# KiCad board Panel_R0.5.1_300x300_2layer_step1.kicad_pcb (continued)
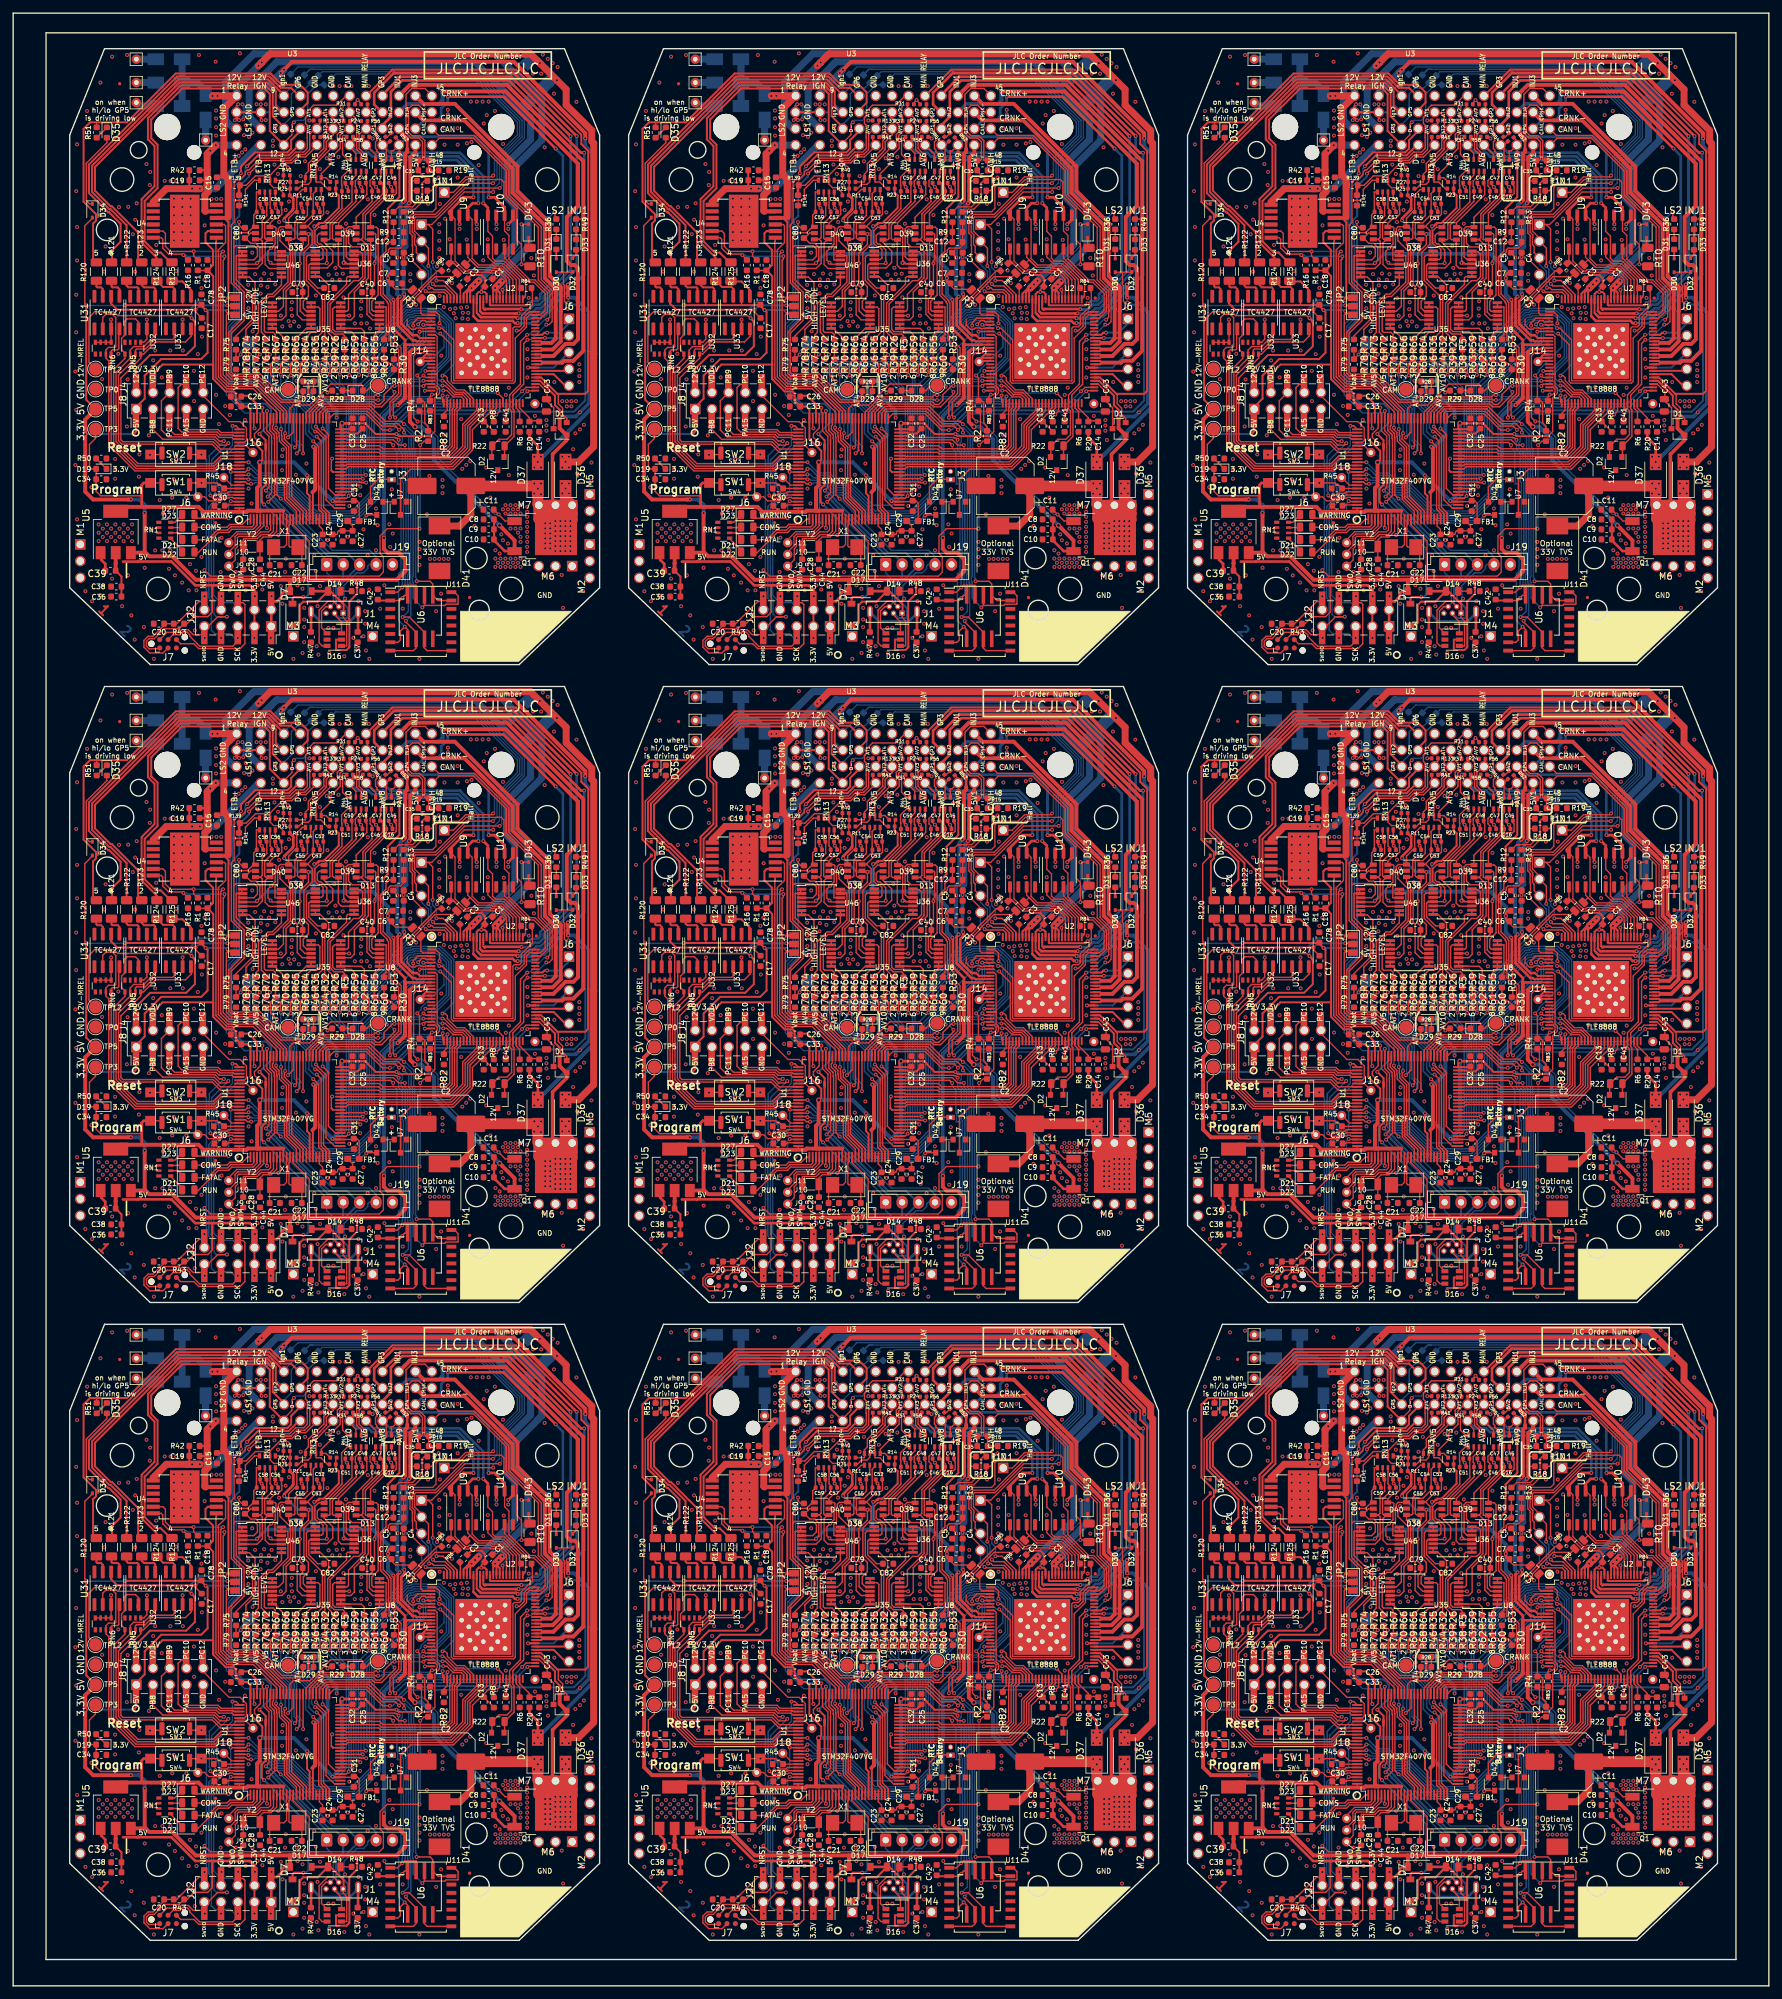
[diagram p0: board, top side]
## Routing (per net, layer and track width the routed paths; a pad name or vN(x,y) marks a point on that pad's centre or on a via; arc(x,y) is an arc through that point) (continued)
  Top w1.651: Q1#2.2 167.47,220.56 U3#2.M72 ; Q1#2.2 170.01,222.94 170.01,223.9 ; Q1#2.2 164.93,223.1 U3#2.M73 ; U3#2.M71 169.01,226.18 v1(169.01,227.72) ; U3#2.M71 U3#2.M73 ; U3#2.M71 170.01,223.9 ; v1(164.8,227.69) 164.8,225.32 U3#2.M73 ; 166.31,223.9 166,223.9 170.01,223.9 ; D37#2.1 164.44,228.1 C2#2.1 ; U3#3.M71 254.01,226.18 v1(254.01,227.72) ; U3#3.M71 255.01,223.9 ; U3#3.M71 U3#3.M73 ; Q1#3.2 252.47,220.56 U3#3.M72 ; Q1#3.2 255.01,222.94 255.01,223.9 ; Q1#3.2 249.93,223.1 U3#3.M73 ; v1(249.8,227.69) 249.8,225.32 U3#3.M73 ; C2#3.1 249.44,228.1 D37#3.1 ; 255.01,223.9 251,223.9 251.31,223.9 ; Q1#6.2 82.47,123.56 U3#4.M72 ; Q1#6.2 85.01,125.94 85.01,126.9 ; Q1#6.2 79.93,126.1 U3#4.M73 ; U3#4.M71 84.01,129.18 v1(84.01,130.72) ; U3#4.M71 U3#4.M73 ; U3#4.M71 85.01,126.9 ; v1(79.8,130.69) 79.8,128.32 U3#4.M73 ; 81.31,126.9 81,126.9 85.01,126.9 ; D37#4.1 79.44,131.1 C2#6.1 ; U3#6.M71 169.01,129.18 v1(169.01,130.72) ; U3#6.M71 170.01,126.9 ; U3#6.M71 U3#6.M73 ; Q1#4.2 167.47,123.56 U3#6.M72 ; Q1#4.2 170.01,125.94 170.01,126.9 ; Q1#4.2 164.93,126.1 U3#6.M73 ; v1(164.8,130.69) 164.8,128.32 U3#6.M73 ; C2#4.1 164.44,131.1 D37#6.1 ; 170.01,126.9 166,126.9 166.31,126.9 ; U3#5.M71 254.01,129.18 v1(254.01,130.72) ; U3#5.M71 U3#5.M73 ; U3#5.M71 255.01,126.9 ; v1(249.8,130.69) 249.8,128.32 U3#5.M73 ; U3#5.M73 249.93,126.1 Q1#5.2 ; U3#5.M72 252.47,123.56 Q1#5.2 ; Q1#5.2 255.01,125.94 255.01,126.9 ; C2#5.1 249.44,131.1 D37#5.1 ; 251.31,126.9 251,126.9 255.01,126.9 ; U3#9.M71 169.01,32.18 v1(169.01,33.72) ; U3#9.M71 170.01,29.9 ; U3#9.M71 U3#9.M73 ; U3#9.M72 167.47,26.56 Q1#8.2 ; v1(164.8,33.69) 164.8,31.32 U3#9.M73 ; Q1#8.2 170.01,28.94 170.01,29.9 ; Q1#8.2 164.93,29.1 U3#9.M73 ; C2#8.1 164.44,34.1 D37#9.1 ; 170.01,29.9 166,29.9 166.31,29.9 ; v1(254.01,33.72) 254.01,32.18 U3#7.M71 ; U3#7.M71 U3#7.M73 ; U3#7.M71 255.01,29.9 ; v1(249.8,33.69) 249.8,31.32 U3#7.M73 ; U3#7.M73 249.93,29.1 Q1#7.2 ; U3#7.M72 252.47,26.56 Q1#7.2 ; C2#7.1 249.44,34.1 D37#8.1 ; Q1#7.2 255.01,28.94 255.01,29.9 ; 251.31,29.9 251,29.9 255.01,29.9 ; U3#8.M71 84.01,32.18 v1(84.01,33.72) ; U3#8.M71 85.01,29.9 ; U3#8.M71 U3#8.M73 ; U3#8.M72 82.47,26.56 Q1#9.2 ; Q1#9.2 79.93,29.1 U3#8.M73 ; Q1#9.2 85.01,28.94 85.01,29.9 ; v1(79.8,33.69) 79.8,31.32 U3#8.M73 ; 85.01,29.9 81,29.9 81.31,29.9 ; C2#9.1 79.44,34.1 D37#7.1 ; 85.01,223.9 85.01,222.94 Q1.2 ; 85.01,223.9 81,223.9 81.31,223.9 ; 85.01,223.9 U3.M71 ; U3.M73 79.93,223.1 Q1.2 ; U3.M73 U3.M71 ; U3.M73 79.8,225.32 v1(79.8,227.69) ; U3.M71 84.01,226.18 v1(84.01,227.72) ; Q1.2 82.47,220.56 U3.M72 ; D37.1 79.44,228.1 C2.1
  Bottom w0.203: v1(156.2,257.6) 156.2,258.5 162.3,264.6 v1(162.3,267.9) ; 171.25,239.35 v1(171.2,239.3) ; v1(247.3,267.9) 247.3,264.6 241.2,258.5 v1(241.2,257.6) ; 256.25,239.35 v1(256.2,239.3) ; v1(71.2,160.6) 71.2,161.5 77.3,167.6 v1(77.3,170.9) ; 86.25,142.35 v1(86.2,142.3) ; v1(162.3,170.9) 162.3,167.6 156.2,161.5 v1(156.2,160.6) ; 171.25,142.35 v1(171.2,142.3) ; v1(247.3,170.9) 247.3,167.6 241.2,161.5 v1(241.2,160.6) ; 256.25,142.35 v1(256.2,142.3) ; v1(162.3,73.9) 162.3,70.6 156.2,64.5 v1(156.2,63.6) ; 171.25,45.35 v1(171.2,45.3) ; v1(247.3,73.9) 247.3,70.6 241.2,64.5 v1(241.2,63.6) ; 256.25,45.35 v1(256.2,45.3) ; v1(71.2,63.6) 71.2,64.5 77.3,70.6 v1(77.3,73.9) ; 86.25,45.35 v1(86.2,45.3) ; v1(77.3,267.9) 77.3,264.6 71.2,258.5 v1(71.2,257.6) ; 86.25,239.35 v1(86.2,239.3)
  Bottom w0.55: v1(168.11,238.65) 170.55,238.65 172.58,240.68 172.58,254.49 170.32,256.74 v1(169.42,256.74) ; v1(169.38,258.73) 166.89,256.25 166.89,255.87 165.5,254.48 165.02,254.48 164.15,253.61 v1(161.73,253.61) ; v1(254.42,256.74) 255.32,256.74 257.58,254.49 257.58,240.68 255.55,238.65 v1(253.11,238.65) ; v1(246.73,253.61) 249.15,253.61 250.02,254.48 250.5,254.48 251.89,255.87 251.89,256.25 v1(254.38,258.73) ; v1(83.11,141.65) 85.55,141.65 87.58,143.68 87.58,157.49 85.32,159.74 v1(84.42,159.74) ; v1(84.38,161.73) 81.89,159.25 81.89,158.87 80.5,157.48 80.02,157.48 79.15,156.61 v1(76.73,156.61) ; v1(169.42,159.74) 170.32,159.74 172.58,157.49 172.58,143.68 170.55,141.65 v1(168.11,141.65) ; v1(161.73,156.61) 164.15,156.61 165.02,157.48 165.5,157.48 166.89,158.87 166.89,159.25 v1(169.38,161.73) ; v1(254.42,159.74) 255.32,159.74 257.58,157.49 257.58,143.68 255.55,141.65 v1(253.11,141.65) ; v1(246.73,156.61) 249.15,156.61 250.02,157.48 250.5,157.48 251.89,158.87 251.89,159.25 v1(254.38,161.73) ; v1(169.42,62.74) 170.32,62.74 172.58,60.49 172.58,46.68 170.55,44.65 v1(168.11,44.65) ; v1(161.73,59.61) 164.15,59.61 165.02,60.48 165.5,60.48 166.89,61.87 166.89,62.25 v1(169.38,64.73) ; v1(254.42,62.74) 255.32,62.74 257.58,60.49 257.58,46.68 255.55,44.65 v1(253.11,44.65) ; v1(246.73,59.61) 249.15,59.61 250.02,60.48 250.5,60.48 251.89,61.87 251.89,62.25 v1(254.38,64.73) ; v1(83.11,44.65) 85.55,44.65 87.58,46.68 87.58,60.49 85.32,62.74 v1(84.42,62.74) ; v1(76.73,59.61) 79.15,59.61 80.02,60.48 80.5,60.48 81.89,61.87 81.89,62.25 v1(84.38,64.73) ; v1(84.38,258.73) 81.89,256.25 81.89,255.87 80.5,254.48 80.02,254.48 79.15,253.61 v1(76.73,253.61) ; v1(83.11,238.65) 85.55,238.65 87.58,240.68 87.58,254.49 85.32,256.74 v1(84.42,256.74)
  vias: v1(79.24,226.93) v1(79.24,129.93) v1(79.24,32.93) v1(79.26,228.48) v1(79.26,131.48) v1(79.26,34.48) v1(80.28,228.46) v1(80.28,226.83) v1(80.28,131.46) v1(80.28,129.83) v1(80.28,34.46) v1(80.28,32.83) v1(80.91,222.41) v1(80.91,221.65) v1(80.91,220.89) v1(80.91,220.13) v1(80.91,219.37) v1(80.91,218.6) v1(80.91,125.41) v1(80.91,124.65) v1(80.91,123.89) v1(80.91,123.13) v1(80.91,122.37) v1(80.91,121.6) v1(80.91,28.41) v1(80.91,27.65) v1(80.91,26.89) v1(80.91,26.13) v1(80.91,25.37) v1(80.91,24.6) v1(81.67,222.41) v1(81.67,221.65) v1(81.67,220.89) v1(81.67,220.13) v1(81.67,219.37) v1(81.67,218.6) v1(81.67,125.41) v1(81.67,124.65) v1(81.67,123.89) v1(81.67,123.13) v1(81.67,122.37) v1(81.67,121.6) v1(81.67,28.41) v1(81.67,27.65) v1(81.67,26.89) v1(81.67,26.13) v1(81.67,25.37) v1(81.67,24.6) v1(82.45,222.75) v1(82.45,221.99) v1(82.45,221.23) v1(82.45,220.47) v1(82.45,219.7) v1(82.45,218.94) v1(82.45,218.18) v1(82.45,125.75) v1(82.45,124.99) v1(82.45,124.23) v1(82.45,123.47) v1(82.45,122.7) v1(82.45,121.94) v1(82.45,121.18) v1(82.45,28.75) v1(82.45,27.99) v1(82.45,27.23) v1(82.45,26.47) v1(82.45,25.7) v1(82.45,24.94) v1(82.45,24.18) v1(83.21,222.75) v1(83.21,221.99) v1(83.21,221.23) v1(83.21,220.47) v1(83.21,219.7) v1(83.21,218.94) v1(83.21,218.18) v1(83.21,125.75) v1(83.21,124.99) v1(83.21,124.23) v1(83.21,123.47) v1(83.21,122.7) v1(83.21,121.94) v1(83.21,121.18) v1(83.21,28.75) v1(83.21,27.99) v1(83.21,27.23) v1(83.21,26.47) v1(83.21,25.7) v1(83.21,24.94) v1(83.21,24.18) v1(83.45,228.48) v1(83.5,226.96) v1(83.45,131.48) v1(83.5,129.96) v1(83.45,34.48) v1(83.5,32.96) v1(83.98,222.75) v1(83.98,221.99) v1(83.98,221.23) v1(83.98,220.47) v1(83.98,219.7) v1(83.98,218.94) v1(83.98,218.18) v1(83.98,125.75) v1(83.98,124.99) v1(83.98,124.23) v1(83.98,123.47) v1(83.98,122.7) v1(83.98,121.94) v1(83.98,121.18) v1(83.98,28.75) v1(83.98,27.99) v1(83.98,27.23) v1(83.98,26.47) v1(83.98,25.7) v1(83.98,24.94) v1(83.98,24.18) v1(84.52,228.48) v1(84.52,226.96) v1(84.52,131.48) v1(84.52,129.96) v1(84.52,34.48) v1(84.52,32.96) v1(84.74,222.75) v1(84.74,221.99) v1(84.74,221.23) v1(84.74,220.47) v1(84.74,219.7) v1(84.74,218.94) v1(84.74,218.18) v1(84.74,125.75) v1(84.74,124.99) v1(84.74,124.23) v1(84.74,123.47) v1(84.74,122.7) v1(84.74,121.94) v1(84.74,121.18) v1(84.74,28.75) v1(84.74,27.99) v1(84.74,27.23) v1(84.74,26.47) v1(84.74,25.7) v1(84.74,24.94) v1(84.74,24.18) v1(164.24,226.93) v1(164.24,129.93) v1(164.24,32.93) v1(164.26,228.48) v1(164.26,131.48) v1(164.26,34.48) v1(165.28,228.46) v1(165.28,226.83) v1(165.28,131.46) v1(165.28,129.83) v1(165.28,34.46) v1(165.28,32.83) v1(165.91,222.41) v1(165.91,221.65) v1(165.91,220.89) v1(165.91,220.13) v1(165.91,219.37) v1(165.91,218.6) v1(165.91,125.41) v1(165.91,124.65) v1(165.91,123.89) v1(165.91,123.13) v1(165.91,122.37) v1(165.91,121.6) v1(165.91,28.41) v1(165.91,27.65) v1(165.91,26.89) v1(165.91,26.13) v1(165.91,25.37) v1(165.91,24.6) v1(166.67,222.41) v1(166.67,221.65) v1(166.67,220.89) v1(166.67,220.13) v1(166.67,219.37) v1(166.67,218.6) v1(166.67,125.41) v1(166.67,124.65) v1(166.67,123.89) v1(166.67,123.13) v1(166.67,122.37) v1(166.67,121.6) v1(166.67,28.41) v1(166.67,27.65) v1(166.67,26.89) v1(166.67,26.13) v1(166.67,25.37) v1(166.67,24.6) v1(167.45,222.75) v1(167.45,221.99) v1(167.45,221.23) v1(167.45,220.47) v1(167.45,219.7) v1(167.45,218.94) v1(167.45,218.18) v1(167.45,125.75) v1(167.45,124.99) v1(167.45,124.23) v1(167.45,123.47) v1(167.45,122.7) v1(167.45,121.94) v1(167.45,121.18) v1(167.45,28.75) v1(167.45,27.99) v1(167.45,27.23) v1(167.45,26.47) v1(167.45,25.7) v1(167.45,24.94) v1(167.45,24.18) v1(168.21,222.75) v1(168.21,221.99) v1(168.21,221.23) v1(168.21,220.47) v1(168.21,219.7) v1(168.21,218.94) v1(168.21,218.18) v1(168.21,125.75) v1(168.21,124.99) v1(168.21,124.23) v1(168.21,123.47) v1(168.21,122.7) v1(168.21,121.94) v1(168.21,121.18) v1(168.21,28.75) v1(168.21,27.99) v1(168.21,27.23) v1(168.21,26.47) v1(168.21,25.7) v1(168.21,24.94) v1(168.21,24.18) v1(168.45,228.48) v1(168.5,226.96) v1(168.45,131.48) v1(168.5,129.96) v1(168.45,34.48) v1(168.5,32.96) v1(168.98,222.75) v1(168.98,221.99) v1(168.98,221.23) v1(168.98,220.47) v1(168.98,219.7) v1(168.98,218.94) v1(168.98,218.18) v1(168.98,125.75) v1(168.98,124.99) v1(168.98,124.23) v1(168.98,123.47) v1(168.98,122.7) v1(168.98,121.94) v1(168.98,121.18) v1(168.98,28.75) v1(168.98,27.99) v1(168.98,27.23) v1(168.98,26.47) v1(168.98,25.7) v1(168.98,24.94) v1(168.98,24.18) v1(169.52,228.48) v1(169.52,226.96) v1(169.52,131.48) v1(169.52,129.96) v1(169.52,34.48) v1(169.52,32.96) v1(169.74,222.75) v1(169.74,221.99) v1(169.74,221.23) v1(169.74,220.47) v1(169.74,219.7) v1(169.74,218.94) v1(169.74,218.18) v1(169.74,125.75) v1(169.74,124.99) v1(169.74,124.23) v1(169.74,123.47) v1(169.74,122.7) v1(169.74,121.94) v1(169.74,121.18) v1(169.74,28.75) v1(169.74,27.99) v1(169.74,27.23) v1(169.74,26.47) v1(169.74,25.7) v1(169.74,24.94) v1(169.74,24.18) v1(249.24,226.93) v1(249.24,129.93) v1(249.24,32.93) v1(249.26,228.48) v1(249.26,131.48) v1(249.26,34.48) v1(250.28,228.46) v1(250.28,226.83) v1(250.28,131.46) v1(250.28,129.83) v1(250.28,34.46) v1(250.28,32.83) v1(250.91,222.41) v1(250.91,221.65) v1(250.91,220.89) v1(250.91,220.13) v1(250.91,219.37) v1(250.91,218.6) v1(250.91,125.41) v1(250.91,124.65) v1(250.91,123.89) v1(250.91,123.13) v1(250.91,122.37) v1(250.91,121.6) v1(250.91,28.41) v1(250.91,27.65) v1(250.91,26.89) v1(250.91,26.13) v1(250.91,25.37) v1(250.91,24.6) v1(251.67,222.41) v1(251.67,221.65) v1(251.67,220.89) v1(251.67,220.13) v1(251.67,219.37) v1(251.67,218.6) v1(251.67,125.41) v1(251.67,124.65) v1(251.67,123.89) v1(251.67,123.13) v1(251.67,122.37) v1(251.67,121.6) v1(251.67,28.41) v1(251.67,27.65) v1(251.67,26.89) v1(251.67,26.13) v1(251.67,25.37) v1(251.67,24.6) v1(252.45,222.75) v1(252.45,221.99) v1(252.45,221.23) v1(252.45,220.47) v1(252.45,219.7) v1(252.45,218.94) v1(252.45,218.18) v1(252.45,125.75) v1(252.45,124.99) v1(252.45,124.23) v1(252.45,123.47) v1(252.45,122.7) v1(252.45,121.94) v1(252.45,121.18) v1(252.45,28.75) v1(252.45,27.99) v1(252.45,27.23) v1(252.45,26.47) v1(252.45,25.7) v1(252.45,24.94) v1(252.45,24.18) v1(253.21,222.75) v1(253.21,221.99) v1(253.21,221.23) v1(253.21,220.47) v1(253.21,219.7) v1(253.21,218.94) v1(253.21,218.18) v1(253.21,125.75) v1(253.21,124.99) v1(253.21,124.23) v1(253.21,123.47) v1(253.21,122.7) v1(253.21,121.94) v1(253.21,121.18) v1(253.21,28.75) v1(253.21,27.99) v1(253.21,27.23) v1(253.21,26.47) v1(253.21,25.7) v1(253.21,24.94) v1(253.21,24.18) v1(253.45,228.48) v1(253.5,226.96) v1(253.45,131.48) v1(253.5,129.96) v1(253.45,34.48) v1(253.5,32.96) v1(253.98,222.75) v1(253.98,221.99) v1(253.98,221.23) v1(253.98,220.47) v1(253.98,219.7) v1(253.98,218.94) v1(253.98,218.18) v1(253.98,125.75) v1(253.98,124.99) v1(253.98,124.23) v1(253.98,123.47) v1(253.98,122.7) v1(253.98,121.94) v1(253.98,121.18) v1(253.98,28.75) v1(253.98,27.99) v1(253.98,27.23) v1(253.98,26.47) v1(253.98,25.7) v1(253.98,24.94) v1(253.98,24.18) v1(254.52,228.48) v1(254.52,226.96) v1(254.52,131.48) v1(254.52,129.96) v1(254.52,34.48) v1(254.52,32.96) v1(254.74,222.75) v1(254.74,221.99) v1(254.74,221.23) v1(254.74,220.47) v1(254.74,219.7) v1(254.74,218.94) v1(254.74,218.18) v1(254.74,125.75) v1(254.74,124.99) v1(254.74,124.23) v1(254.74,123.47) v1(254.74,122.7) v1(254.74,121.94) v1(254.74,121.18) v1(254.74,28.75) v1(254.74,27.99) v1(254.74,27.23) v1(254.74,26.47) v1(254.74,25.7) v1(254.74,24.94) v1(254.74,24.18)
/ADC/AGND: length 247.6
  Top w0.216: R61#2.1 139.9,245.63 ; R61#3.1 224.9,245.63 ; R61#4.1 54.9,148.63 ; R61#6.1 139.9,148.63 ; R61#5.1 224.9,148.63 ; R61#9.1 54.9,51.63 ; R61#8.1 139.9,51.63 ; R61#7.1 224.9,51.63 ; R61.1 54.9,245.63
  Top w0.305: U1#2.20 130.59,227.04 130.5,227.13 ; 215.5,227.13 215.59,227.04 U1#3.20 ; U1#4.20 45.59,130.04 45.5,130.13 ; 130.5,130.13 130.59,130.04 U1#6.20 ; 215.5,130.13 215.59,130.04 U1#5.20 ; 45.5,33.13 45.59,33.04 U1#7.20 ; U1#9.20 130.59,33.04 130.5,33.13 ; 215.5,33.13 215.59,33.04 U1#8.20 ; 45.5,227.13 45.59,227.04 U1.20
  Top w0.6: v1(130.66,234.07) 130.91,233.81 130.91,227.54 130.5,227.13 ; v1(215.66,234.07) 215.91,233.81 215.91,227.54 215.5,227.13 ; v1(45.66,137.07) 45.91,136.81 45.91,130.54 45.5,130.13 ; v1(130.66,137.07) 130.91,136.81 130.91,130.54 130.5,130.13 ; 215.5,130.13 215.91,130.54 215.91,136.81 v1(215.66,137.07) ; v1(45.66,40.07) 45.91,39.81 45.91,33.54 45.5,33.13 ; v1(130.66,40.07) 130.91,39.81 130.91,33.54 130.5,33.13 ; 215.5,33.13 215.91,33.54 215.91,39.81 v1(215.66,40.07) ; 45.5,227.13 45.91,227.54 45.91,233.81 v1(45.66,234.07)
  Bottom w0.6: 129.9,244.1 v1(131.7,244.1) ; 129.9,244.1 v1(128.1,244.1) ; 129.9,244.1 129.9,242.3 131.26,240.94 131.26,240.93 132.82,239.37 132.82,235.81 131.08,234.07 v1(130.66,234.07) ; 214.9,244.1 v1(213.1,244.1) ; 214.9,244.1 214.9,242.3 216.26,240.94 216.26,240.93 217.82,239.37 217.82,235.81 216.08,234.07 v1(215.66,234.07) ; 214.9,244.1 v1(216.7,244.1) ; 44.9,147.1 v1(46.7,147.1) ; 44.9,147.1 v1(43.1,147.1) ; 44.9,147.1 44.9,145.3 46.26,143.94 46.26,143.93 47.82,142.37 47.82,138.81 46.08,137.07 v1(45.66,137.07) ; 129.9,147.1 v1(128.1,147.1) ; 129.9,147.1 129.9,145.3 131.26,143.94 131.26,143.93 132.82,142.37 132.82,138.81 131.08,137.07 v1(130.66,137.07) ; 129.9,147.1 v1(131.7,147.1) ; v1(215.66,137.07) 216.08,137.07 217.82,138.81 217.82,142.37 216.26,143.93 216.26,143.94 214.9,145.3 214.9,147.1 ; v1(216.7,147.1) 214.9,147.1 ; 214.9,147.1 v1(213.1,147.1) ; v1(46.7,50.1) 44.9,50.1 ; v1(45.66,40.07) 46.08,40.07 47.82,41.81 47.82,45.37 46.26,46.93 46.26,46.94 44.9,48.3 44.9,50.1 ; 44.9,50.1 v1(43.1,50.1) ; 129.9,50.1 129.9,48.3 131.26,46.94 131.26,46.93 132.82,45.37 132.82,41.81 131.08,40.07 v1(130.66,40.07) ; 129.9,50.1 v1(128.1,50.1) ; 129.9,50.1 v1(131.7,50.1) ; 214.9,50.1 v1(213.1,50.1) ; 214.9,50.1 214.9,48.3 216.26,46.94 216.26,46.93 217.82,45.37 217.82,41.81 216.08,40.07 v1(215.66,40.07) ; 214.9,50.1 v1(216.7,50.1) ; 44.9,244.1 44.9,242.3 46.26,240.94 46.26,240.93 47.82,239.37 47.82,235.81 46.08,234.07 v1(45.66,234.07) ; 44.9,244.1 v1(46.7,244.1) ; 44.9,244.1 v1(43.1,244.1)
/ADC/AV11_MCU: length 42.1
  Top w0.216: v1(119.61,248.1) 119.61,248.1 R79#2.2 R75#2.1 ; v1(204.61,248.1) 204.61,248.1 R79#3.2 R75#3.1 ; v1(204.61,151.1) 204.61,151.1 R79#5.2 R75#5.1 ; v1(34.61,151.1) 34.61,151.1 R79#4.2 R75#4.1 ; v1(119.61,151.1) 119.61,151.1 R79#6.2 R75#6.1 ; v1(34.61,54.1) 34.61,54.1 R79#7.2 R75#9.1 ; v1(119.61,54.1) 119.61,54.1 R79#9.2 R75#8.1 ; R75#7.1 R79#8.2 204.61,54.1 v1(204.61,54.1) ; v1(34.61,248.1) 34.61,248.1 R79.2 R75.1
  Bottom w0.203: TP1#2.1 119.61,248.55 v1(119.61,248.1) ; TP1#3.1 204.61,248.55 v1(204.61,248.1) ; TP1#5.1 204.61,151.55 v1(204.61,151.1) ; TP1#4.1 34.61,151.55 v1(34.61,151.1) ; TP1#6.1 119.61,151.55 v1(119.61,151.1) ; TP1#7.1 34.61,54.55 v1(34.61,54.1) ; TP1#9.1 119.61,54.55 v1(119.61,54.1) ; TP1#8.1 204.61,54.55 v1(204.61,54.1) ; v1(34.61,248.1) 34.61,248.55 TP1.1
/AV1: length 69.4
  Top w0.216: R37#2.1 136.22,282.48 U3#2.27 135.7,282.43 134.67,281.4 134.67,281.03 135.1,280.59 135.1,278.52 135.85,277.77 RN4#2.4 ; R37#3.1 221.22,282.48 U3#3.27 220.7,282.43 219.67,281.4 219.67,281.03 220.1,280.59 220.1,278.52 220.85,277.77 RN4#3.4 ; R37#6.1 136.22,185.48 U3#6.27 135.7,185.43 134.67,184.4 134.67,184.03 135.1,183.59 135.1,181.52 135.85,180.77 RN4#6.4 ; R37#4.1 51.22,185.48 U3#4.27 50.7,185.43 49.67,184.4 49.67,184.03 50.1,183.59 50.1,181.52 50.85,180.77 RN4#4.4 ; R37#5.1 221.22,185.48 U3#5.27 220.7,185.43 219.67,184.4 219.67,184.03 220.1,183.59 220.1,181.52 220.85,180.77 RN4#5.4 ; R37#9.1 136.22,88.48 U3#9.27 135.7,88.43 134.67,87.4 134.67,87.03 135.1,86.59 135.1,84.52 135.85,83.77 RN4#9.4 ; R37#8.1 221.22,88.48 U3#7.27 220.7,88.43 219.67,87.4 219.67,87.03 220.1,86.59 220.1,84.52 220.85,83.77 RN4#8.4 ; R37#7.1 51.22,88.48 U3#8.27 50.7,88.43 49.67,87.4 49.67,87.03 50.1,86.59 50.1,84.52 50.85,83.77 RN4#7.4 ; R37.1 51.22,282.48 U3.27 50.7,282.43 49.67,281.4 49.67,281.03 50.1,280.59 50.1,278.52 50.85,277.77 RN4.4
/AV1_MCU: length 388.7
  Top w0.216: R35#2.1 R46#2.2 131.64,246.65 131.64,245.06 v1(131.7,245) ; v1(125.93,229.13) 125.93,228.6 126.25,228.28 126.25,226.07 128.09,224.23 U1#2.15 ; U1#3.15 213.09,224.23 211.25,226.07 211.25,228.28 210.93,228.6 v1(210.93,229.13) ; R35#3.1 R46#3.2 216.64,246.65 216.64,245.06 v1(216.7,245) ; U1#6.15 128.09,127.23 126.25,129.07 126.25,131.28 125.93,131.6 v1(125.93,132.13) ; R35#6.1 R46#6.2 131.64,149.65 131.64,148.06 v1(131.7,148) ; R35#4.1 R46#4.2 46.64,149.65 46.64,148.06 v1(46.7,148) ; v1(40.93,132.13) 40.93,131.6 41.25,131.28 41.25,129.07 43.09,127.23 U1#4.15 ; R35#5.1 R46#5.2 216.64,149.65 216.64,148.06 v1(216.7,148) ; v1(210.93,132.13) 210.93,131.6 211.25,131.28 211.25,129.07 213.09,127.23 U1#5.15 ; U1#8.15 213.09,30.23 211.25,32.07 211.25,34.28 210.93,34.6 v1(210.93,35.13) ; v1(216.7,51) 216.64,51.06 216.64,52.65 R46#7.2 R35#7.1 ; v1(40.93,35.13) 40.93,34.6 41.25,34.28 41.25,32.07 43.09,30.23 U1#7.15 ; v1(46.7,51) 46.64,51.06 46.64,52.65 R46#9.2 R35#9.1 ; U1#9.15 128.09,30.23 126.25,32.07 126.25,34.28 125.93,34.6 v1(125.93,35.13) ; R35#8.1 R46#8.2 131.64,52.65 131.64,51.06 v1(131.7,51) ; v1(40.93,229.13) 40.93,228.6 41.25,228.28 41.25,226.07 43.09,224.23 U1.15 ; v1(46.7,245) 46.64,245.06 46.64,246.65 R46.2 R35.1
  Bottom w0.216: v1(131.7,245) 132.3,245 135.67,241.63 135.67,227.5 135.66,227.48 135.66,227.1 133.74,225.18 130.78,225.18 126.83,229.13 v1(125.93,229.13) ; v1(216.7,245) 217.3,245 220.67,241.63 220.67,227.5 220.66,227.48 220.66,227.1 218.74,225.18 215.78,225.18 211.83,229.13 v1(210.93,229.13) ; v1(131.7,148) 132.3,148 135.67,144.63 135.67,130.5 135.66,130.48 135.66,130.1 133.74,128.18 130.78,128.18 126.83,132.13 v1(125.93,132.13) ; v1(46.7,148) 47.3,148 50.67,144.63 50.67,130.5 50.66,130.48 50.66,130.1 48.74,128.18 45.78,128.18 41.83,132.13 v1(40.93,132.13) ; v1(216.7,148) 217.3,148 220.67,144.63 220.67,130.5 220.66,130.48 220.66,130.1 218.74,128.18 215.78,128.18 211.83,132.13 v1(210.93,132.13) ; v1(216.7,51) 217.3,51 220.67,47.63 220.67,33.5 220.66,33.48 220.66,33.1 218.74,31.18 215.78,31.18 211.83,35.13 v1(210.93,35.13) ; v1(46.7,51) 47.3,51 50.67,47.63 50.67,33.5 50.66,33.48 50.66,33.1 48.74,31.18 45.78,31.18 41.83,35.13 v1(40.93,35.13) ; v1(131.7,51) 132.3,51 135.67,47.63 135.67,33.5 135.66,33.48 135.66,33.1 133.74,31.18 130.78,31.18 126.83,35.13 v1(125.93,35.13) ; v1(40.93,229.13) 41.83,229.13 45.78,225.18 48.74,225.18 50.66,227.1 50.66,227.48 50.67,227.5 50.67,241.63 47.3,245 v1(46.7,245)
/AV2: length 82.4
  Top w0.216: RN4#2.2 137.92,278.6 137.25,279.27 137.25,283.08 137.03,283.29 137.03,284.07 U3#2.26 136.01,285.09 R31#2.1 ; R31#3.1 221.01,285.09 U3#3.26 222.03,284.07 222.03,283.29 222.25,283.08 222.25,279.27 222.92,278.6 RN4#3.2 ; R31#6.1 136.01,188.09 U3#6.26 137.03,187.07 137.03,186.29 137.25,186.08 137.25,182.27 137.92,181.6 RN4#6.2 ; RN4#4.2 52.92,181.6 52.25,182.27 52.25,186.08 52.03,186.29 52.03,187.07 U3#4.26 51.02,188.09 R31#4.1 ; RN4#5.2 222.92,181.6 222.25,182.27 222.25,186.08 222.03,186.29 222.03,187.07 U3#5.26 221.01,188.09 R31#5.1 ; R31#9.1 136.01,91.09 U3#9.26 137.03,90.07 137.03,89.29 137.25,89.08 137.25,85.27 137.92,84.6 RN4#9.2 ; RN4#8.2 222.92,84.6 222.25,85.27 222.25,89.08 222.03,89.29 222.03,90.07 U3#7.26 221.01,91.09 R31#8.1 ; RN4#7.2 52.92,84.6 52.25,85.27 52.25,89.08 52.03,89.29 52.03,90.07 U3#8.26 51.02,91.09 R31#7.1 ; R31.1 51.02,285.09 U3.26 52.03,284.07 52.03,283.29 52.25,283.08 52.25,279.27 52.92,278.6 RN4.2
/AV2_MCU: length 224.1
  Top w0.216: R26#2.1 R39#2.2 134.66,246.62 v1(134.66,245.03) ; U1#2.31 136.46,227.22 v1(136.6,227.07) ; R26#3.1 R39#3.2 219.66,246.62 v1(219.66,245.03) ; U1#3.31 221.46,227.22 v1(221.6,227.07) ; R26#6.1 R39#6.2 134.66,149.62 v1(134.66,148.03) ; U1#6.31 136.46,130.22 v1(136.6,130.07) ; R26#4.1 R39#4.2 49.66,149.62 v1(49.66,148.03) ; U1#4.31 51.46,130.22 v1(51.6,130.07) ; v1(221.6,130.07) 221.46,130.22 U1#5.31 ; R26#5.1 R39#5.2 219.66,149.62 v1(219.66,148.03) ; v1(221.6,33.07) 221.46,33.22 U1#8.31 ; R26#7.1 R39#8.2 219.66,52.62 v1(219.66,51.03) ; v1(51.6,33.07) 51.46,33.22 U1#7.31 ; v1(49.66,51.03) 49.66,52.62 R39#7.2 R26#9.1 ; v1(134.66,51.03) 134.66,52.62 R39#9.2 R26#8.1 ; U1#9.31 136.46,33.22 v1(136.6,33.07) ; U1.31 51.46,227.22 v1(51.6,227.07) ; v1(49.66,245.03) 49.66,246.62 R39.2 R26.1
  Bottom w0.216: 136.41,228.7 136.41,227.69 136.6,227.5 v1(136.6,227.07) ; 136.41,228.7 136.41,228.59 ; 136.41,228.7 136.41,242.09 134.62,243.87 134.62,244.99 v1(134.66,245.03) ; v1(221.6,227.07) 221.6,227.5 221.41,227.69 221.41,228.7 ; 221.41,228.7 221.41,242.09 219.62,243.87 219.62,244.99 v1(219.66,245.03) ; 221.41,228.7 221.41,228.59 ; v1(136.6,130.07) 136.6,130.5 136.41,130.69 136.41,131.7 ; 136.41,131.7 136.41,145.09 134.62,146.87 134.62,147.99 v1(134.66,148.03) ; 136.41,131.7 136.41,131.59 ; 51.41,131.7 51.41,130.69 51.6,130.5 v1(51.6,130.07) ; 51.41,131.7 51.41,131.59 ; 51.41,131.7 51.41,145.09 49.62,146.87 49.62,147.99 v1(49.66,148.03) ; v1(221.6,130.07) 221.6,130.5 221.41,130.69 221.41,131.7 ; 221.41,131.7 221.41,145.09 219.62,146.87 219.62,147.99 v1(219.66,148.03) ; 221.41,131.7 221.41,131.59 ; v1(219.66,51.03) 219.62,50.99 219.62,49.87 221.41,48.09 221.41,34.7 ; 221.41,34.7 221.41,33.69 221.6,33.5 v1(221.6,33.07) ; 221.41,34.7 221.41,34.59 ; 51.41,34.7 51.41,33.69 51.6,33.5 v1(51.6,33.07) ; 51.41,34.7 51.41,34.59 ; 51.41,34.7 51.41,48.09 49.62,49.87 49.62,50.99 v1(49.66,51.03) ; v1(136.6,33.07) 136.6,33.5 136.41,33.69 136.41,34.7 ; 136.41,34.7 136.41,48.09 134.62,49.87 134.62,50.99 v1(134.66,51.03) ; 136.41,34.7 136.41,34.59 ; 51.41,228.7 51.41,227.69 51.6,227.5 v1(51.6,227.07) ; 51.41,228.7 51.41,242.09 49.62,243.87 49.62,244.99 v1(49.66,245.03) ; 51.41,228.7 51.41,228.59
/AV3: length 62.2
  Top w0.216: RN4#2.1 138.72,278.32 137.61,279.42 137.61,281.54 138.51,282.43 U3#2.31 138.89,282.65 R24#2.1 ; R24#3.1 223.89,282.65 U3#3.31 223.51,282.43 222.61,281.54 222.61,279.42 223.72,278.32 RN4#3.1 ; R24#6.1 138.89,185.65 U3#6.31 138.51,185.43 137.61,184.54 137.61,182.42 138.72,181.32 RN4#6.1 ; RN4#4.1 53.72,181.32 52.61,182.42 52.61,184.54 53.51,185.43 U3#4.31 53.89,185.65 R24#4.1 ; R24#5.1 223.89,185.65 U3#5.31 223.51,185.43 222.61,184.54 222.61,182.42 223.72,181.32 RN4#5.1 ; RN4#9.1 138.72,84.32 137.61,85.42 137.61,87.54 138.51,88.43 U3#9.31 138.89,88.65 R24#9.1 ; RN4#8.1 223.72,84.32 222.61,85.42 222.61,87.54 223.51,88.43 U3#7.31 223.89,88.65 R24#8.1 ; RN4#7.1 53.72,84.32 52.61,85.42 52.61,87.54 53.51,88.43 U3#8.31 53.89,88.65 R24#7.1 ; RN4.1 53.72,278.32 52.61,279.42 52.61,281.54 53.51,282.43 U3.31 53.89,282.65 R24.1
/AV3_MCU: length 220.9
  Top w0.216: R5#2.1 R38#2.2 135.4,247.18 136.14,246.45 v1(136.14,244.96) ; v1(137.2,227.53) 137.01,227.72 U1#2.32 ; R5#3.1 R38#3.2 220.4,247.18 221.14,246.45 v1(221.14,244.96) ; v1(222.2,227.53) 222.01,227.72 U1#3.32 ; R5#6.1 R38#6.2 135.4,150.18 136.14,149.45 v1(136.14,147.96) ; v1(137.2,130.53) 137.01,130.72 U1#6.32 ; R5#4.1 R38#4.2 50.4,150.18 51.14,149.45 v1(51.14,147.96) ; v1(52.2,130.53) 52.01,130.72 U1#4.32 ; v1(222.2,130.53) 222.01,130.72 U1#5.32 ; v1(221.14,147.96) 221.14,149.45 220.4,150.18 R38#5.2 R5#5.1 ; R5#7.1 R38#8.2 220.4,53.18 221.14,52.45 v1(221.14,50.96) ; U1#8.32 222.01,33.72 v1(222.2,33.53) ; R5#8.1 R38#7.2 50.4,53.18 51.14,52.45 v1(51.14,50.96) ; U1#7.32 52.01,33.72 v1(52.2,33.53) ; R5#9.1 R38#9.2 135.4,53.18 136.14,52.45 v1(136.14,50.96) ; v1(137.2,33.53) 137.01,33.72 U1#9.32 ; v1(52.2,227.53) 52.01,227.72 U1.32 ; v1(51.14,244.96) 51.14,246.45 50.4,247.18 R38.2 R5.1
  Bottom w0.216: v1(137.2,227.53) 136.78,227.95 136.78,244.32 v1(136.14,244.96) ; v1(221.14,244.96) 221.78,244.32 221.78,227.95 v1(222.2,227.53) ; v1(136.14,147.96) 136.78,147.32 136.78,130.95 v1(137.2,130.53) ; v1(52.2,130.53) 51.78,130.95 51.78,147.32 v1(51.14,147.96) ; v1(221.14,147.96) 221.78,147.32 221.78,130.95 v1(222.2,130.53) ; v1(221.14,50.96) 221.78,50.32 221.78,33.95 v1(222.2,33.53) ; v1(52.2,33.53) 51.78,33.95 51.78,50.32 v1(51.14,50.96) ; v1(137.2,33.53) 136.78,33.95 136.78,50.32 v1(136.14,50.96) ; v1(52.2,227.53) 51.78,227.95 51.78,244.32 v1(51.14,244.96)
